# Allegro board DPU_PoE_A1_Sep27.brd (continued)
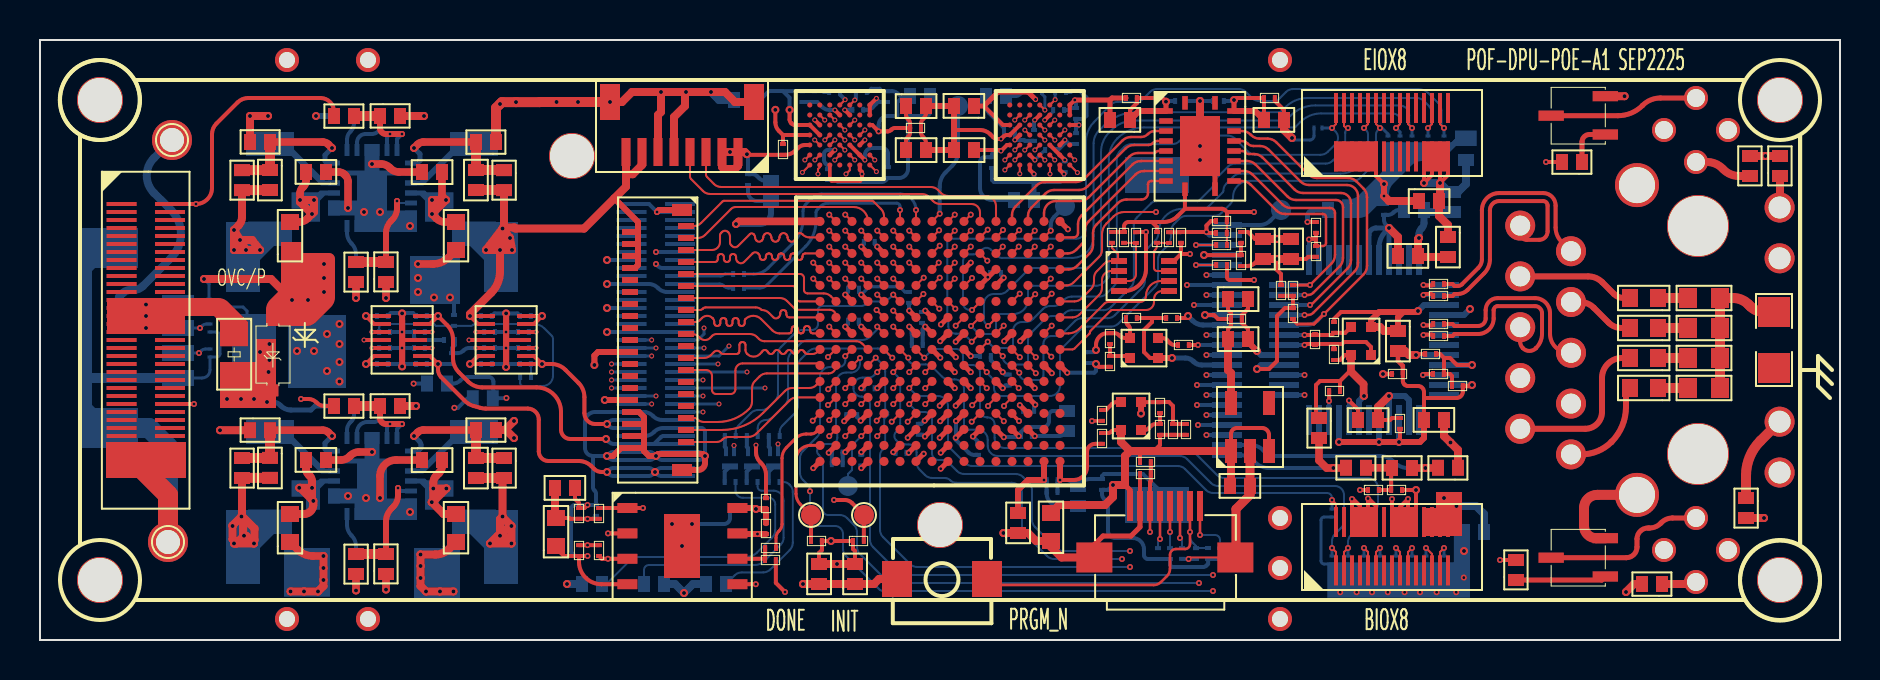
[diagram p0: board, top side]
## Routing (per net, layer and track width the routed paths; a pad name or vN(x,y) marks a point on that pad's centre or on a via; arc(x,y) is an arc through that point) (continued)
H2_D4: length 11.9
  TOP w0.102: v2(41.24,25.5) U1.D6 ; v1(42.66,18.87) U7.N11
  SIG-6 w0.102: v1(42.66,18.87) 42.41,19.12 arc(42.3,19.28) 42.26,19.48 42.26,21.22 arc(42.24,21.35) 42.17,21.46 42.15,21.47 arc(42.08,21.58) 42.05,21.7 42.05,21.87 arc(42.19,22.19) 42.52,22.33 43.13,22.33 arc(43.24,22.35) 43.33,22.41 arc(43.36,22.5) 43.33,22.6 43.31,22.61 arc(43.22,22.82) 43.31,23.03 43.31,23.03 arc(43.36,23.1) 43.37,23.17 43.37,24.33 arc(43.35,24.44) 43.29,24.53 43.23,24.59 arc(43.2,24.62) 43.19,24.67 43.19,24.69 arc(43.2,24.73) 43.23,24.77 43.51,25.05 arc(43.55,25.17) 43.51,25.29 arc(43.34,25.35) 43.18,25.29 42.95,25.05 arc(42.88,25.02) 42.8,25.05 42.79,25.07 arc(42.76,25.12) 42.75,25.17 42.75,25.24 arc(42.73,25.33) 42.67,25.42 arc(42.57,25.46) 42.46,25.42 42.05,25 arc(41.9,24.94) 41.76,25 41.27,25.49 41.26,25.49 v2(41.24,25.5)
H2_D5: length 11.9
  TOP w0.102: v2(40.24,24.5) U1.E4 ; v1(41.06,20.47) U7.R13
  SIG-6 w0.102: v1(41.06,20.47) 40.92,20.47 arc(40.8,20.49) 40.7,20.56 40.5,20.76 arc(40.34,20.87) 40.14,20.91 40.11,20.91 arc(39.95,20.97) 39.88,21.13 39.88,21.36 arc(39.79,21.59) 39.56,21.68 39.54,21.68 arc(39.31,21.78) 39.22,22.01 arc(39.35,22.21) 39.59,22.16 39.64,22.11 arc(39.75,22.04) 39.88,22.01 40.04,22.01 40.07,21.99 arc(40.26,21.91) 40.46,21.99 arc(40.51,22.12) 40.46,22.25 40.45,22.26 arc(40.41,22.28) 40.37,22.29 40.13,22.29 40.06,22.36 40.06,22.49 40.13,22.56 40.68,22.56 arc(40.83,22.68) 41.01,22.72 arc(41.33,22.85) 41.46,23.17 41.46,23.54 arc(41.42,23.65) 41.31,23.7 40.77,23.7 arc(40.66,23.65) 40.62,23.54 40.62,23.53 arc(40.63,23.48) 40.66,23.44 40.76,23.34 arc(40.81,23.21) 40.76,23.08 40.71,23.04 arc(40.55,22.93) 40.35,22.89 40.26,22.89 arc(40.07,22.97) 39.98,23.17 39.98,23.5 arc(40.01,23.66) 40.11,23.8 40.12,23.81 arc(40.21,23.95) 40.24,24.11 v2(40.24,24.5)
H2_D6: length 11.9
  TOP w0.102: v1(40.26,20.47) U7.R14 ; v2(39.74,25) U1.E3
  SIG-6 w0.102: v2(39.74,25) 39.49,24.75 arc(39.37,24.58) 39.33,24.37 39.33,24.07 arc(39.37,23.87) 39.49,23.69 39.51,23.67 arc(39.62,23.5) 39.66,23.31 39.66,22.68 arc(39.65,22.61) 39.61,22.56 arc(39.47,22.5) 39.34,22.56 arc(39.29,22.63) 39.27,22.71 39.27,23.35 arc(39.18,23.56) 38.98,23.65 38.8,23.65 arc(38.57,23.55) 38.47,23.31 38.47,23.18 arc(38.54,23.03) 38.69,22.96 38.76,22.96 arc(38.88,22.92) 38.93,22.8 38.93,22.78 arc(38.88,22.66) 38.76,22.62 38.47,22.62 arc(38.41,22.6) 38.37,22.57 arc(38.34,22.54) 38.34,22.5 38.34,22.39 arc(38.34,22.35) 38.37,22.32 arc(38.41,22.29) 38.47,22.27 38.73,22.27 arc(38.82,22.24) 38.86,22.14 38.86,22.12 arc(38.82,22.02) 38.73,21.98 38.53,21.98 arc(38.44,21.95) 38.41,21.86 38.41,21.84 arc(38.44,21.76) 38.53,21.73 38.74,21.73 arc(38.83,21.69) 38.87,21.59 38.87,21.54 arc(38.84,21.47) 38.77,21.44 arc(38.69,21.4) 38.65,21.32 38.65,21.15 arc(38.73,20.95) 38.92,20.87 39.38,20.87 arc(39.57,20.84) 39.74,20.73 39.91,20.55 arc(40,20.49) 40.12,20.47 v1(40.26,20.47)
H2_D7: length 11.9
  TOP w0.102: U1.E2 38.74,25 v2(38.74,25) ; v1(40.26,19.67) U7.P14
  SIG-6 w0.102: v2(38.74,25) 38.37,25 arc(38.16,24.92) 38.08,24.71 38.08,24.7 arc(38.04,24.54) 37.95,24.4 37.87,24.32 arc(37.8,24.13) 37.87,23.94 37.89,23.93 arc(37.97,23.74) 37.89,23.55 37.8,23.46 arc(37.72,23.28) 37.8,23.09 37.84,23.05 arc(37.89,23.01) 37.96,23 37.99,23 arc(38.04,22.99) 38.08,22.96 arc(38.11,22.93) 38.11,22.89 38.11,22.8 arc(38.11,22.76) 38.08,22.73 arc(38.04,22.7) 37.99,22.69 37.96,22.69 arc(37.89,22.68) 37.84,22.65 37.81,22.61 arc(37.78,22.54) 37.81,22.47 38.03,22.24 arc(38.06,22.21) 38.06,22.17 38.06,22.1 arc(38.01,21.98) 37.89,21.93 37.85,21.89 arc(37.79,21.73) 37.85,21.57 arc(37.89,21.54) 37.94,21.53 38.15,21.53 arc(38.19,21.52) 38.22,21.5 38.23,21.49 arc(38.25,21.46) 38.26,21.42 38.26,21.33 arc(38.25,21.29) 38.23,21.26 arc(38.18,21.23) 38.14,21.22 37.94,21.22 arc(37.89,21.21) 37.85,21.19 arc(37.81,21.13) 37.8,21.05 arc(37.8,21.02) 37.83,20.98 37.84,20.98 arc(37.87,20.97) 37.9,20.97 38.19,20.97 arc(38.34,20.91) 38.4,20.76 arc(38.33,20.6) 38.16,20.53 38.14,20.53 arc(37.97,20.46) 37.9,20.29 37.9,20.26 arc(37.97,20.09) 38.15,20.01 38.84,20.01 arc(39.06,19.92) 39.29,20.01 arc(39.4,20.09) 39.53,20.12 40.38,20.12 arc(40.5,20.07) 40.55,19.95 40.55,19.87 arc(40.52,19.8) 40.45,19.77 40.43,19.77 arc(40.37,19.76) 40.32,19.72 v1(40.26,19.67)
H2_D8: length 11.9
  TOP w0.102: v2(40.74,24) U1.F5 ; v1(42.66,18.07) U7.M11
  SIG-3 w0.102: v1(42.66,18.07) 42.85,18.26 arc(43.01,18.49) 43.06,18.76 43.06,20.46 arc(43.01,20.74) 42.85,20.97 42.63,21.19 arc(42.53,21.44) 42.63,21.69 42.87,21.93 arc(42.89,21.96) 42.9,22 43.35,22.45 arc(43.46,22.62) 43.5,22.81 43.5,23.66 arc(43.44,23.79) 43.31,23.85 43.24,23.85 arc(43.1,23.79) 43.04,23.66 43.04,23.27 arc(42.99,23.06) 42.85,22.89 42.77,22.84 arc(42.63,22.77) 42.47,22.74 40.97,22.74 arc(40.8,22.81) 40.73,22.98 40.73,23.99 v2(40.74,24)
H2_D9: length 11.9
  TOP w0.102: v1(39.46,18.87) U7.N15 ; v2(38.24,24) U1.F1
  SIG-3 w0.102: v2(38.24,24) 36.27,24 arc(35.96,23.94) 35.71,23.77 35.71,23.77 arc(35.54,23.51) 35.48,23.21 35.48,19.82 arc(35.63,19.45) 36,19.3 38.82,19.3 arc(39.01,19.26) 39.18,19.15 v1(39.46,18.87)
H2_D10: length 12
  TOP w0.102: v2(41.74,24) U1.F7 ; v1(43.46,18.87) U7.N10
  SIG-3 w0.102: v2(41.74,24) 41.5,23.76 41.5,23.15 arc(41.53,23.08) 41.6,23.05 42.4,23.05 arc(42.63,23.14) 42.72,23.37 42.72,24.47 arc(42.85,24.77) 43.16,24.9 43.39,24.9 arc(43.7,24.77) 43.83,24.47 43.83,22.68 arc(43.79,22.48) 43.68,22.32 43.55,22.19 arc(43.44,22.02) 43.4,21.83 43.4,21.46 arc(43.44,21.27) 43.55,21.1 43.72,20.93 arc(43.83,20.77) 43.87,20.57 43.87,19.48 arc(43.83,19.29) 43.72,19.12 v1(43.46,18.87)
H2_D11: length 11.9
  TOP w0.102: v2(38.74,24) U1.F2 ; v1(39.46,20.47) U7.R15
  SIG-3 w0.102: v2(38.74,24) 38.63,23.89 arc(38.56,23.79) 38.54,23.66 38.54,23.36 arc(38.42,23.07) 38.12,22.95 36.5,22.95 arc(36.38,22.9) 36.33,22.78 36.33,20.81 arc(36.4,20.64) 36.57,20.57 36.59,20.57 arc(36.77,20.64) 36.84,20.81 36.84,21.09 arc(36.91,21.27) 37.09,21.34 37.11,21.34 arc(37.29,21.27) 37.37,21.09 37.37,20.72 arc(37.44,20.56) 37.6,20.49 37.61,20.49 arc(37.77,20.56) 37.84,20.72 37.84,21.13 arc(37.92,21.32) 38.12,21.4 arc(38.33,21.32) 38.42,21.1 38.42,20.76 arc(38.5,20.56) 38.7,20.48 39.45,20.48 v1(39.46,20.47)
H2_D12: length 11.9
  TOP w0.102: U1.G5 40.49,23.49 v2(40.3,23.3) ; v1(41.86,18.07) U7.M12
  SIG-3 w0.102: v1(41.86,18.07) 41.86,18.01 arc(41.89,17.94) 41.96,17.91 42.12,17.91 arc(42.19,17.94) 42.22,18.01 42.22,18.01 arc(42.25,18.14) 42.32,18.25 42.43,18.36 arc(42.47,18.45) 42.43,18.54 42.24,18.73 arc(42.19,18.84) 42.24,18.95 42.45,19.16 arc(42.48,19.23) 42.45,19.31 42.27,19.49 arc(42.2,19.65) 42.27,19.82 42.45,20.01 arc(42.48,20.08) 42.45,20.15 42.39,20.22 arc(42.3,20.35) 42.27,20.51 42.27,20.78 arc(42.22,20.89) 42.12,20.93 41.87,20.93 arc(41.83,20.94) 41.79,20.96 41.74,21.01 arc(41.69,21.14) 41.74,21.26 41.76,21.28 arc(41.86,21.34) 41.97,21.37 42.11,21.37 arc(42.18,21.4) 42.21,21.47 42.21,21.62 arc(42.18,21.7) 42.11,21.73 41.69,21.73 arc(41.61,21.76) 41.58,21.83 41.58,22 arc(41.61,22.07) 41.68,22.1 42.62,22.1 arc(42.69,22.13) 42.72,22.2 42.72,22.28 arc(42.71,22.33) 42.69,22.37 42.67,22.38 arc(42.64,22.41) 42.59,22.41 40.84,22.41 arc(40.46,22.57) 40.3,22.96 v2(40.3,23.3)
H2_D13: length 12
  TOP w0.102: v1(39.46,19.67) U7.P15 ; v2(38.12,23.38) U1.G1
  SIG-3 w0.102: v1(39.46,19.67) 39.23,19.9 arc(39.07,20.01) 38.89,20.04 37.89,20.04 arc(37.78,19.99) 37.73,19.88 arc(37.69,19.78) 37.58,19.73 37.54,19.73 arc(37.43,19.78) 37.38,19.9 37.38,19.97 arc(37.33,20.09) 37.2,20.15 37.18,20.15 arc(37.05,20.09) 37,19.97 37,19.9 arc(36.95,19.78) 36.84,19.73 36.65,19.73 36.58,19.81 36.58,19.97 arc(36.53,20.11) 36.39,20.16 arc(36.26,20.11) 36.21,19.97 36.21,19.89 arc(36.17,19.79) 36.07,19.75 arc(35.92,19.81) 35.85,19.97 35.85,23.05 arc(35.95,23.28) 36.18,23.38 36.37,23.38 arc(36.47,23.42) 36.51,23.52 36.51,23.54 arc(36.55,23.63) 36.64,23.67 36.78,23.67 arc(36.87,23.63) 36.91,23.54 36.91,23.52 arc(36.95,23.42) 37.05,23.38 v2(38.12,23.38)
H2_D14: length 11.9
  TOP w0.102: v1(44.19,18.12) U7.M10 ; v2(41.82,23.42) U1.G7
  SIG-3 w0.102: v2(41.82,23.42) 41.93,23.42 arc(42.23,23.54) 42.35,23.84 42.35,24.73 arc(42.58,25.29) 43.14,25.52 43.2,25.52 arc(43.9,25.23) 44.19,24.54 v1(44.19,18.12)
H2_D15: length 11.8
  TOP w0.102: U1.G2 38.99,23.64 38.9,23.55 v2(38.9,23.3) ; v1(40.26,18.87) U7.N14
  SIG-3 w0.102: v2(38.9,23.3) 38.9,22.95 arc(38.8,22.72) 38.57,22.62 36.9,22.62 arc(36.72,22.55) 36.65,22.37 36.65,22.1 arc(36.76,21.84) 37.01,21.73 37.03,21.73 arc(37.19,21.79) 37.25,21.94 37.25,22.07 arc(37.3,22.2) 37.43,22.25 37.45,22.25 arc(37.58,22.2) 37.63,22.07 37.63,21.99 arc(37.7,21.82) 37.87,21.76 37.95,21.76 arc(38.09,21.81) 38.14,21.95 38.14,21.97 arc(38.23,22.19) 38.45,22.27 38.68,22.27 arc(38.83,22.21) 38.89,22.06 38.89,21.11 arc(38.94,20.99) 39.06,20.94 39.63,20.94 arc(39.69,20.93) 39.74,20.9 39.75,20.89 arc(39.79,20.84) 39.82,20.79 39.84,20.7 arc(39.84,20.64) 39.85,20.59 39.85,19.49 arc(39.89,19.3) 40,19.13 v1(40.26,18.87)
H2_RST: length 13.9
  TOP w0.102: v2(40.74,27) U1.A5 ; v1(43.46,19.67) U7.P10
  SIG-6 w0.102: v2(40.74,27) 40.86,26.88 arc(40.97,26.8) 41.11,26.77 43.93,26.77 arc(44.62,26.49) 44.9,25.8 44.9,22.21 arc(44.94,22.02) 45.05,21.85 45.21,21.69 arc(45.32,21.52) 45.36,21.33 45.36,20.23 arc(45.33,20.14) 45.24,20.11 44.53,20.11 arc(44.34,20.07) 44.17,19.96 44.02,19.81 arc(43.87,19.7) 43.68,19.67 v1(43.46,19.67)
  BOTTOM w0.2: R63.2 40.8,27.06 v2(40.74,27)
H2_RWDS0: length 11.9
  TOP w0.102: v2(40.24,25.5) U1.C4 ; v1(42.66,20.47) U7.R11
  SIG-6 w0.102: v1(42.66,20.47) 42.6,20.53 42.6,21.83 arc(42.65,21.96) 42.78,22.01 42.97,22.01 arc(43.03,22) 43.07,21.97 43.13,21.91 arc(43.4,21.8) 43.67,21.91 43.88,22.12 arc(43.92,22.2) 43.88,22.27 43.72,22.43 arc(43.62,22.69) 43.72,22.95 43.9,23.13 arc(43.94,23.21) 43.9,23.29 43.67,23.52 arc(43.63,23.62) 43.67,23.71 43.88,23.92 arc(43.91,24) 43.88,24.07 43.67,24.28 arc(43.62,24.39) 43.67,24.51 43.73,24.57 arc(43.84,24.73) 43.88,24.93 43.88,25.53 arc(43.78,25.76) 43.55,25.86 43.45,25.86 arc(43.41,25.85) 43.37,25.83 43.28,25.74 arc(43.05,25.64) 42.81,25.74 arc(42.63,25.86) 42.42,25.9 41.36,25.9 arc(41.15,25.86) 40.97,25.74 40.88,25.65 arc(40.71,25.54) 40.52,25.5 v2(40.24,25.5)
H2_RWDS1: length 12
  TOP w0.102: v1(41.06,18.07) U7.M13 ; v2(39.74,24) U1.F4
  SIG-3 w0.102: v1(41.06,18.07) 41.36,18.07 arc(41.43,18.1) 41.46,18.17 41.46,18.4 arc(41.43,18.47) 41.36,18.5 40.74,18.5 arc(40.67,18.53) 40.64,18.6 40.64,19.18 arc(40.67,19.26) 40.74,19.29 41.28,19.29 arc(41.41,19.34) 41.47,19.48 41.47,19.96 arc(41.44,20.03) 41.37,20.06 40.73,20.06 arc(40.66,20.09) 40.63,20.17 40.63,20.78 arc(40.68,20.89) 40.78,20.93 41.24,20.93 arc(41.31,20.96) 41.34,21.03 41.34,21.13 arc(41.3,21.23) 41.2,21.27 40.73,21.27 arc(40.66,21.3) 40.63,21.37 40.63,21.55 arc(40.66,21.62) 40.73,21.65 41.12,21.65 arc(41.19,21.68) 41.22,21.75 41.22,21.9 arc(41.19,21.97) 41.12,22 40.64,22 arc(40.45,22.04) 40.28,22.15 40.05,22.38 arc(39.94,22.54) 39.91,22.73 39.91,23.68 arc(39.89,23.78) 39.83,23.86 39.74,23.96 v2(39.74,24)
INIT_N: length 9.8
  TOP w0.102: v1(42.59,10.91) U7.D11
  TOP w0.2: R48.2 41.19,6.24 TP2.1 40.6,6.85 arc(40.43,6.96) 40.24,7 v1(39.7,7)
  SIG-3 w0.102: v1(39.7,7) 39.7,7.6 arc(39.79,7.81) 40,7.9 41.7,7.9 arc(41.91,7.99) 42,8.2 42,9.39 arc(42.04,9.58) 42.15,9.75 42.44,10.04 arc(42.55,10.2) 42.59,10.4 v1(42.59,10.91)
IO-1: length 11.1
  TOP w0.102: Y1.1 32.69,20.7 arc(32.88,20.74) 33.05,20.85 34.13,21.93 arc(34.16,21.95) 34.2,21.96 41.6,21.96 arc(41.64,21.95) 41.67,21.93 42.05,21.55 arc(42.16,21.38) 42.2,21.19 U7.T12
IO-2: length 10.1
  TOP w0.102: Y1.3 32.89,20.1 arc(33.08,20.14) 33.25,20.25 34.55,21.55 arc(34.66,21.62) 34.79,21.65 40.68,21.65 arc(41.19,21.44) 41.4,20.93 U7.T13
IO-3: length 9.8
  TOP w0.102: Y1.5 33.6,19.5 arc(33.88,19.62) 34,19.9 34,20.24 arc(34.01,20.3) 34.04,20.34 34.1,20.4 arc(34.25,20.46) 34.4,20.4 34.41,20.39 arc(34.48,20.29) 34.5,20.17 34.5,19.86 arc(34.51,19.8) 34.54,19.76 34.6,19.7 arc(34.75,19.64) 34.9,19.7 35.5,20.3 arc(35.58,20.34) 35.67,20.3 35.7,20.27 arc(35.74,20.21) 35.75,20.14 35.75,20.12 arc(35.77,20.05) 35.81,19.99 35.84,19.96 arc(35.96,19.91) 36.08,19.96 36.11,19.99 arc(36.15,20.05) 36.16,20.12 36.16,20.14 arc(36.17,20.21) 36.21,20.27 36.25,20.3 arc(36.36,20.35) 36.48,20.3 36.51,20.27 arc(36.55,20.21) 36.57,20.14 36.57,20.12 arc(36.58,20.05) 36.62,19.99 36.65,19.96 arc(36.77,19.91) 36.89,19.96 36.92,19.99 arc(36.96,20.05) 36.97,20.12 36.97,20.14 arc(36.99,20.21) 37.03,20.27 37.06,20.3 arc(37.18,20.35) 37.29,20.3 37.33,20.27 arc(37.37,20.21) 37.38,20.14 37.38,20.12 arc(37.39,20.05) 37.43,19.99 37.46,19.96 arc(37.58,19.91) 37.7,19.96 37.73,19.99 arc(37.77,20.05) 37.79,20.12 37.79,20.14 arc(37.8,20.21) 37.84,20.27 37.87,20.3 arc(37.99,20.35) 38.11,20.3 38.14,20.27 arc(38.29,20.17) 38.47,20.13 U7.R16
IO-4: length 9.7
  TOP w0.102: Y1.7 33.75,18.9 arc(33.8,18.91) 33.84,18.94 33.85,18.95 arc(33.88,18.99) 33.89,19.04 33.89,19.16 arc(33.9,19.21) 33.93,19.25 33.94,19.26 arc(33.98,19.29) 34.03,19.3 34.05,19.3 arc(34.1,19.29) 34.14,19.26 34.16,19.25 arc(34.18,19.21) 34.19,19.16 34.19,19.04 arc(34.2,18.99) 34.23,18.95 34.25,18.94 arc(34.29,18.91) 34.34,18.9 34.36,18.9 arc(34.41,18.91) 34.45,18.94 34.46,18.95 arc(34.49,18.99) 34.5,19.04 34.5,19.16 arc(34.51,19.21) 34.54,19.25 34.55,19.26 arc(34.59,19.29) 34.64,19.3 34.66,19.3 arc(34.71,19.29) 34.75,19.26 34.77,19.25 arc(34.79,19.21) 34.8,19.16 34.8,19.09 arc(34.82,19) 34.87,18.92 34.89,18.9 arc(35.05,18.84) 35.2,18.9 35.63,19.33 arc(35.76,19.39) 35.9,19.33 35.95,19.28 arc(35.98,19.24) 35.99,19.19 35.99,19.14 arc(36,19.09) 36.03,19.05 36.04,19.04 arc(36.08,19.01) 36.13,19 36.15,19 arc(36.2,19.01) 36.24,19.04 36.26,19.05 arc(36.28,19.09) 36.29,19.14 36.29,19.19 arc(36.3,19.24) 36.33,19.28 36.35,19.29 arc(36.39,19.32) 36.44,19.33 36.46,19.33 arc(36.51,19.32) 36.55,19.29 36.56,19.28 arc(36.59,19.24) 36.6,19.19 36.6,19.14 arc(36.61,19.09) 36.64,19.05 36.65,19.04 arc(36.69,19.01) 36.74,19 36.76,19 arc(36.81,19.01) 36.85,19.04 36.87,19.05 arc(36.89,19.09) 36.9,19.14 36.9,19.19 arc(36.91,19.24) 36.94,19.28 36.96,19.29 arc(37,19.32) 37.05,19.33 37.07,19.33 arc(37.11,19.32) 37.16,19.29 37.17,19.28 arc(37.2,19.24) 37.21,19.19 37.21,19.14 arc(37.22,19.09) 37.25,19.05 37.26,19.04 arc(37.3,19.01) 37.35,19 37.37,19 arc(37.42,19.01) 37.46,19.04 37.48,19.05 arc(37.5,19.09) 37.51,19.14 37.51,19.19 arc(37.52,19.24) 37.55,19.28 37.56,19.29 arc(37.61,19.32) 37.66,19.33 37.68,19.33 arc(37.72,19.32) 37.77,19.29 37.78,19.28 arc(37.81,19.24) 37.82,19.19 37.82,19.14 arc(37.83,19.09) 37.86,19.05 37.87,19.04 arc(37.91,19.01) 37.96,19 37.98,19 arc(38.03,19.01) 38.07,19.04 38.09,19.05 arc(38.11,19.09) 38.12,19.14 38.12,19.19 arc(38.13,19.24) 38.16,19.28 38.17,19.29 arc(38.22,19.32) 38.26,19.33 U7.P16
IO-5: length 8.5
  TOP w0.102: Y1.9 38,18.3 arc(38.14,18.24) 38.2,18.1 38.2,17.5 arc(38.25,17.38) 38.37,17.33 39.19,17.33 arc(39.38,17.29) 39.55,17.18 U7.L15
IO-6: length 7.3
  TOP w0.102: Y1.11 37.64,17.7 arc(37.7,17.69) 37.74,17.66 37.76,17.64 arc(37.79,17.6) 37.8,17.54 37.8,17.13 arc(37.86,16.99) 38,16.93 U7.L16
IO-7: length 8
  TOP w0.102: U7.K15 39.8,16.2 arc(39.71,16.42) 39.49,16.51 37.79,16.51 37.35,16.95 arc(37.18,17.06) 36.99,17.1 Y1.13
IO-8: length 7.4
  TOP w0.102: Y1.15 32.99,16.5 arc(33.07,16.52) 33.13,16.56 33.15,16.57 arc(33.21,16.61) 33.29,16.63 35.79,16.63 arc(35.95,16.6) 36.08,16.51 36.09,16.5 arc(36.28,16.46) 36.45,16.35 36.67,16.13 arc(36.8,16.08) 36.92,16.13 36.95,16.16 arc(37,16.23) 37.01,16.3 37.01,16.36 arc(37.02,16.41) 37.05,16.45 37.06,16.46 arc(37.11,16.49) 37.15,16.5 37.17,16.5 arc(37.22,16.49) 37.27,16.46 37.28,16.45 arc(37.31,16.41) 37.32,16.36 37.32,16.27 arc(37.33,16.22) 37.35,16.18 37.37,16.17 arc(37.41,16.14) 37.46,16.13 U7.K16
IO-9: length 9.8
  TOP w0.102: U7.J16 38.65,15.33 arc(38.6,15.34) 38.55,15.37 38.54,15.38 arc(38.51,15.42) 38.5,15.47 38.5,15.56 arc(38.49,15.61) 38.47,15.65 38.45,15.66 arc(38.41,15.69) 38.36,15.7 38.34,15.7 arc(38.29,15.69) 38.25,15.66 38.24,15.65 arc(38.21,15.61) 38.2,15.56 38.2,15.47 arc(38.19,15.42) 38.16,15.38 38.15,15.37 arc(38.1,15.34) 38.06,15.33 38.04,15.33 arc(37.99,15.34) 37.94,15.37 37.93,15.38 arc(37.91,15.4) 37.9,15.43 arc(37.89,15.45) 37.89,15.47 37.89,15.56 arc(37.88,15.61) 37.86,15.65 37.84,15.66 arc(37.8,15.69) 37.75,15.7 37.73,15.7 arc(37.68,15.69) 37.64,15.66 37.63,15.65 arc(37.6,15.61) 37.59,15.56 37.59,15.47 arc(37.58,15.42) 37.55,15.38 37.54,15.37 arc(37.49,15.34) 37.45,15.33 36.98,15.33 arc(36.79,15.37) 36.62,15.48 36.05,16.05 arc(35.66,16.21) 35.27,16.05 arc(35.25,16.01) 35.24,15.96 35.24,15.84 arc(35.23,15.79) 35.2,15.75 35.18,15.74 arc(35.14,15.71) 35.09,15.7 35.07,15.7 arc(35.02,15.71) 34.98,15.74 34.97,15.75 arc(34.94,15.79) 34.93,15.84 34.93,15.96 arc(34.92,16.01) 34.89,16.05 34.88,16.06 arc(34.84,16.09) 34.79,16.1 34.77,16.1 arc(34.72,16.09) 34.68,16.06 34.66,16.05 arc(34.64,16.01) 34.63,15.96 34.63,15.84 arc(34.62,15.79) 34.59,15.75 34.57,15.74 arc(34.53,15.71) 34.48,15.7 34.46,15.7 arc(34.41,15.71) 34.37,15.74 34.36,15.75 arc(34.33,15.79) 34.32,15.84 34.32,15.96 arc(34.31,16.01) 34.28,16.05 34.27,16.06 arc(34.23,16.09) 34.18,16.1 34.16,16.1 arc(34.11,16.09) 34.07,16.06 34.05,16.05 arc(34.03,16.01) 34.02,15.96 34.02,15.84 arc(34.01,15.79) 33.98,15.75 33.96,15.74 arc(33.92,15.71) 33.87,15.7 33.85,15.7 arc(33.8,15.71) 33.76,15.74 33.75,15.75 arc(33.72,15.79) 33.71,15.84 33.71,15.91 arc(33.69,16) 33.64,16.08 33.62,16.1 arc(33.36,16.21) 33.1,16.1 32.99,15.99 arc(32.89,15.92) 32.77,15.9 Y1.17
IO-10: length 9.5
  TOP w0.102: U7.H13 41.12,14.81 arc(40.98,14.91) 40.81,14.94 36.22,14.94 arc(36.07,14.97) 35.95,15.05 35.85,15.15 arc(35.68,15.26) 35.49,15.3 33.83,15.3 arc(33.71,15.28) 33.61,15.21 33.5,15.1 arc(33.25,15) 33,15.1 32.95,15.15 arc(32.78,15.26) 32.59,15.3 Y1.19
IO-11: length 8.6
  TOP w0.102: Y1.23 33.19,14.1 arc(33.38,14.14) 33.55,14.25 33.7,14.4 arc(33.85,14.46) 34,14.4 34.06,14.34 arc(34.1,14.31) 34.16,14.3 34.83,14.3 arc(34.88,14.31) 34.92,14.34 34.93,14.35 arc(34.96,14.39) 34.97,14.44 34.97,14.76 arc(34.98,14.81) 35.01,14.85 35.02,14.86 arc(35.06,14.89) 35.11,14.9 35.13,14.9 arc(35.18,14.89) 35.22,14.86 35.24,14.85 arc(35.26,14.81) 35.27,14.76 35.27,14.51 arc(35.3,14.4) 35.36,14.31 35.36,14.3 arc(35.68,14.17) 36,14.3 36.09,14.39 36.09,14.41 36.14,14.46 arc(36.18,14.49) 36.23,14.5 36.25,14.5 arc(36.3,14.49) 36.34,14.46 36.39,14.41 36.39,14.39 36.44,14.34 arc(36.49,14.31) 36.53,14.3 36.55,14.3 arc(36.6,14.31) 36.65,14.34 36.7,14.39 36.7,14.41 36.75,14.46 arc(36.79,14.49) 36.84,14.5 36.86,14.5 arc(36.91,14.49) 36.95,14.46 37,14.41 37,14.39 37.05,14.34 arc(37.1,14.31) 37.14,14.3 37.16,14.3 arc(37.21,14.31) 37.26,14.34 37.31,14.39 37.31,14.41 37.36,14.46 arc(37.4,14.49) 37.45,14.5 37.47,14.5 arc(37.52,14.49) 37.56,14.46 37.61,14.41 37.61,14.39 37.66,14.34 arc(37.71,14.31) 37.75,14.3 37.77,14.3 arc(37.82,14.31) 37.86,14.34 37.92,14.39 37.92,14.41 37.97,14.46 arc(38.01,14.49) 38.06,14.5 38.08,14.5 arc(38.13,14.49) 38.17,14.46 38.22,14.41 38.22,14.39 38.27,14.34 arc(38.31,14.31) 38.36,14.3 38.62,14.3 arc(38.76,14.33) 38.88,14.41 U7.H16
IO-12: length 9
  TOP w0.102: U7.G16 38.9,13.83 35.13,13.83 arc(34.88,13.72) 34.77,13.47 34.77,12.54 arc(34.7,12.37) 34.53,12.3 33.8,12.3 arc(33.66,12.36) 33.6,12.5 33.6,13.2 arc(33.51,13.41) 33.3,13.5 Y1.25
IO-13: length 9.3
  TOP w0.102: Y1.33 32.74,11.1 arc(32.8,11.09) 32.84,11.06 32.86,11.04 arc(33.02,10.94) 33.2,10.9 33.88,10.9 arc(34.73,11.07) 35.45,11.55 arc(35.56,11.72) 35.6,11.91 35.6,12.59 arc(35.64,12.78) 35.75,12.95 35.98,13.18 arc(36.15,13.29) 36.34,13.33 39.43,13.33 arc(39.69,13.44) 39.8,13.7 U7.G15
IO-14: length 7.5
  TOP w0.102: U7.F16 38.82,12.75 arc(38.65,12.64) 38.46,12.6 37.61,12.6 arc(37.42,12.56) 37.25,12.45 36.16,11.36 arc(35.21,10.72) 34.09,10.5 Y1.35
IO-15: length 7.5
  TOP w0.102: U7.E16 37.84,12.13 arc(37.65,12.09) 37.48,11.98 35.83,10.33 arc(35.63,10.2) 35.4,10.15 34.42,10.15 arc(34.26,10.12) 34.13,10.03 34.12,10.02 arc(33.99,9.93) 33.83,9.9 Y1.37
IO_LED_1: length 13.2
  TOP w0.102: v1(42.66,17.27) U7.L11
  BOTTOM w0.102: v1(42.66,17.27) 42.66,17.26 42.55,17.15 arc(42.3,16.98) 42.01,16.92 41.57,16.92 arc(41.43,16.9) 41.32,16.82 41.3,16.8 arc(41.19,16.73) 41.05,16.7 39.1,16.7 arc(38.96,16.64) 38.9,16.5 38.9,15.8 arc(38.81,15.59) 38.6,15.5 38.11,15.5 arc(37.92,15.46) 37.75,15.35 37.05,14.65 arc(36.94,14.48) 36.9,14.29 36.9,12.31 arc(36.86,12.12) 36.75,11.95 36.45,11.65 arc(36.28,11.54) 36.09,11.5 35.91,11.5 arc(35.72,11.46) 35.55,11.35 34.91,10.71 arc(34.82,10.57) 34.78,10.4 R80.1
IO_LED_2: length 10.3
  TOP w0.102: U7.J12 v1(41.86,15.67)
  BOTTOM w0.102: R79.1 35.88,10.6 arc(36,10.88) 36.29,11 arc(36.48,11.04) 36.65,11.15 37.25,11.75 arc(37.36,11.92) 37.4,12.11 37.4,13.99 arc(37.44,14.18) 37.55,14.35 38.05,14.85 arc(38.22,14.96) 38.41,15 39.13,15 39.13,15 41.12,15 arc(41.31,15.04) 41.48,15.15 41.82,15.49 arc(41.85,15.54) 41.86,15.59 v1(41.86,15.67)
IO_LED_3: length 9.7
  TOP w0.102: v1(42.62,14.12) U7.H12
  BOTTOM w0.102: R78.1 36.98,10.4 arc(37.02,10.57) 37.11,10.71 37.75,11.35 arc(37.86,11.52) 37.9,11.71 37.9,13.69 arc(37.94,13.88) 38.05,14.05 38.43,14.43 arc(38.59,14.54) 38.79,14.57 41.9,14.57 arc(42.1,14.54) 42.26,14.43 42.57,14.12 v1(42.62,14.12)
IR_1V8: length 20.4
  TOP w0.2: v3(28.3,10.05) 26.52,10.05 arc(26.19,10.19) 26.05,10.52 26.05,11.41 arc(25.69,12.27) 24.83,12.63 22.11,12.63 arc(21.73,12.71) 21.41,12.92 20.94,13.39 arc(20.73,13.71) 20.65,14.09 20.65,15.04 arc(20.57,15.42) 20.36,15.74 v3(19.9,16.2) ; U5.14 v3(19.9,16.2) ; v3(19.9,16.2) 19.5,15.8 U5.13
  BOTTOM w0.2: v3(28.3,10.05) 28.44,9.91 arc(28.56,9.83) 28.71,9.8 J7.9 30.7,9.8 ; C103.2 v3(19.9,16.2) ; 30.7,9.8 J7.10 ; 30.7,9.8 31.04,10.14 arc(31.11,10.18) 31.18,10.2 J7.12
IR_1V8_EN: length 14.5
  TOP w0.2: U5.3 v2(16.6,15.4)
  BOTTOM w0.102: R71.2 16.96,15.61 arc(17.01,15.74) 17.15,15.8 19.7,15.8 19.79,15.71 C108.2 21.55,15.71 arc(21.6,15.72) 21.65,15.75 21.66,15.76 arc(21.7,15.79) 21.76,15.8 24.69,15.8 arc(24.98,15.74) 25.22,15.58 25.58,15.22 arc(25.63,15.14) 25.65,15.05 25.65,13.21 arc(25.5,12.85) 25.14,12.7 24.15,12.7 arc(24.05,12.74) 24.01,12.84 R74.2
  BOTTOM w0.2: R71.2 v2(16.6,15.4)
IR_3V3: length 11
  TOP w0.2: U6.9 24.7,14.2 v3(25.1,13.8) ; v3(25.1,13.8) U6.8 ; v3(25.1,13.8) 25.57,13.8 arc(25.95,13.72) 26.27,13.51 26.93,12.85 arc(27.14,12.53) 27.22,12.15 27.22,11.34 arc(27.38,10.96) 27.76,10.8 v3(28.35,10.8)
  BOTTOM w0.102: R74.1 24.55,13.79 C118.2
  BOTTOM w0.2: C118.2 v3(25.1,13.8) ; J7.15 28.67,11 arc(28.56,10.98) 28.46,10.91 v3(28.35,10.8) 28.46,10.69 arc(28.56,10.62) 28.67,10.6 J7.13
IR_3V3_EN: length 3
  TOP w0.2: U6.5 v2(21.8,14.6)
  BOTTOM w0.2: C112.2 20.74,14.74 20.6,14.6 R75.2 20.88,14.34 arc(21.03,14.37) 21.16,14.46 21.19,14.49 arc(21.31,14.57) 21.46,14.6 v2(21.8,14.6) R72.2
IR_5V0: length 22.9
  TOP w0.2: v3(19.9,13.8) 19.5,14.2 U5.9 ; v3(19.9,13.8) U5.8 ; v3(19.9,13.8) 19.9,13.53 arc(19.94,13.32) 20.06,13.14 21.24,11.96 arc(21.44,11.8) 21.68,11.7 22.01,11.61 arc(22.15,11.58) 22.29,11.57 24.39,11.57 arc(24.78,11.41) 24.94,11.02 24.94,9.43 arc(25.08,9.09) 25.42,8.95 26.94,8.95 arc(27.28,8.88) 27.57,8.69 27.7,8.56 arc(27.88,8.44) 28.09,8.4 v3(28.35,8.4)
  BOTTOM w0.2: v3(30.75,8.4) 30.86,8.51 arc(30.96,8.58) 31.07,8.6 J7.4 ; v3(30.75,8.4) 30.64,8.29 arc(30.54,8.22) 30.43,8.2 J7.1 28.67,8.2 arc(28.56,8.22) 28.46,8.29 v3(28.35,8.4) 28.46,8.51 arc(28.56,8.58) 28.67,8.6 J7.3 30.43,8.6 arc(30.54,8.58) 30.64,8.51 v3(30.75,8.4) ; v3(30.75,8.4) 30.86,8.29 arc(30.96,8.22) 31.07,8.2 J7.2 ; C120.2 v3(19.9,13.8) R75.1
IR_D0: length 15.5
  TOP w0.102: U7.E15 39.42,11.75 v1(39.4,11.75)
  SIG-3 w0.102: v1(39.4,11.75) 39.45,11.7 arc(39.62,11.63) 39.8,11.7 39.9,11.8 arc(39.96,11.95) 39.9,12.1 39.89,12.11 arc(39.79,12.18) 39.67,12.2 39.1,12.2 arc(38.99,12.16) 38.95,12.05 38.95,11.83 arc(38.92,11.76) 38.85,11.73 38.67,11.73 38.6,11.8 38.6,12.05 arc(38.56,12.16) 38.45,12.2 38.44,12.2 arc(38.31,12.17) 38.2,12.1 37.87,11.77 arc(37.84,11.7) 37.87,11.63 37.97,11.53 arc(38.01,11.43) 37.97,11.32 37.9,11.25 arc(37.8,11.21) 37.7,11.25 37.57,11.38 arc(37.5,11.41) 37.43,11.38 37.39,11.34 arc(37.33,11.24) 37.3,11.12 37.3,10.9 arc(37.26,10.79) 37.15,10.75 36.82,10.75 36.75,10.82 36.75,11.09 arc(36.74,11.15) 36.71,11.19 36.7,11.2 arc(36.6,11.24) 36.5,11.2 36.49,11.19 arc(36.42,11.09) 36.4,10.97 36.4,10.8 36.33,10.73 36.12,10.73 36.05,10.8 36.05,11.07 arc(36.02,11.14) 35.95,11.17 35.77,11.17 35.7,11.1 35.7,10.96 arc(35.68,10.86) 35.62,10.77 35.6,10.75 arc(35.5,10.71) 35.4,10.75 35.36,10.79 arc(35.32,10.86) 35.3,10.94 35.3,11.05 arc(35.26,11.16) 35.15,11.2 35.1,11.2 arc(35.03,11.17) 35,11.1 35,10.85 arc(34.97,10.78) 34.9,10.75 34.7,10.75 arc(34.63,10.78) 34.6,10.85 34.6,10.94 arc(34.58,11.04) 34.52,11.13 34.5,11.15 arc(34.43,11.18) 34.35,11.15 34.31,11.11 arc(34.27,11.04) 34.25,10.96 34.25,10.85 arc(34.22,10.78) 34.15,10.75 33.95,10.75 arc(33.88,10.78) 33.85,10.85 33.85,11.07 arc(33.82,11.14) 33.75,11.17 33.57,11.17 33.5,11.1 33.5,10.94 arc(33.48,10.86) 33.44,10.79 33.43,10.78 arc(33.33,10.74) 33.22,10.78 33.21,10.79 arc(33.17,10.86) 33.15,10.94 v2(33.15,11.4)
  BOTTOM w0.15: J7.18 v2(33.15,11.4)
